# Altium PCB InsaneKeyboard.PcbDoc (part 1 of 4) (continued)
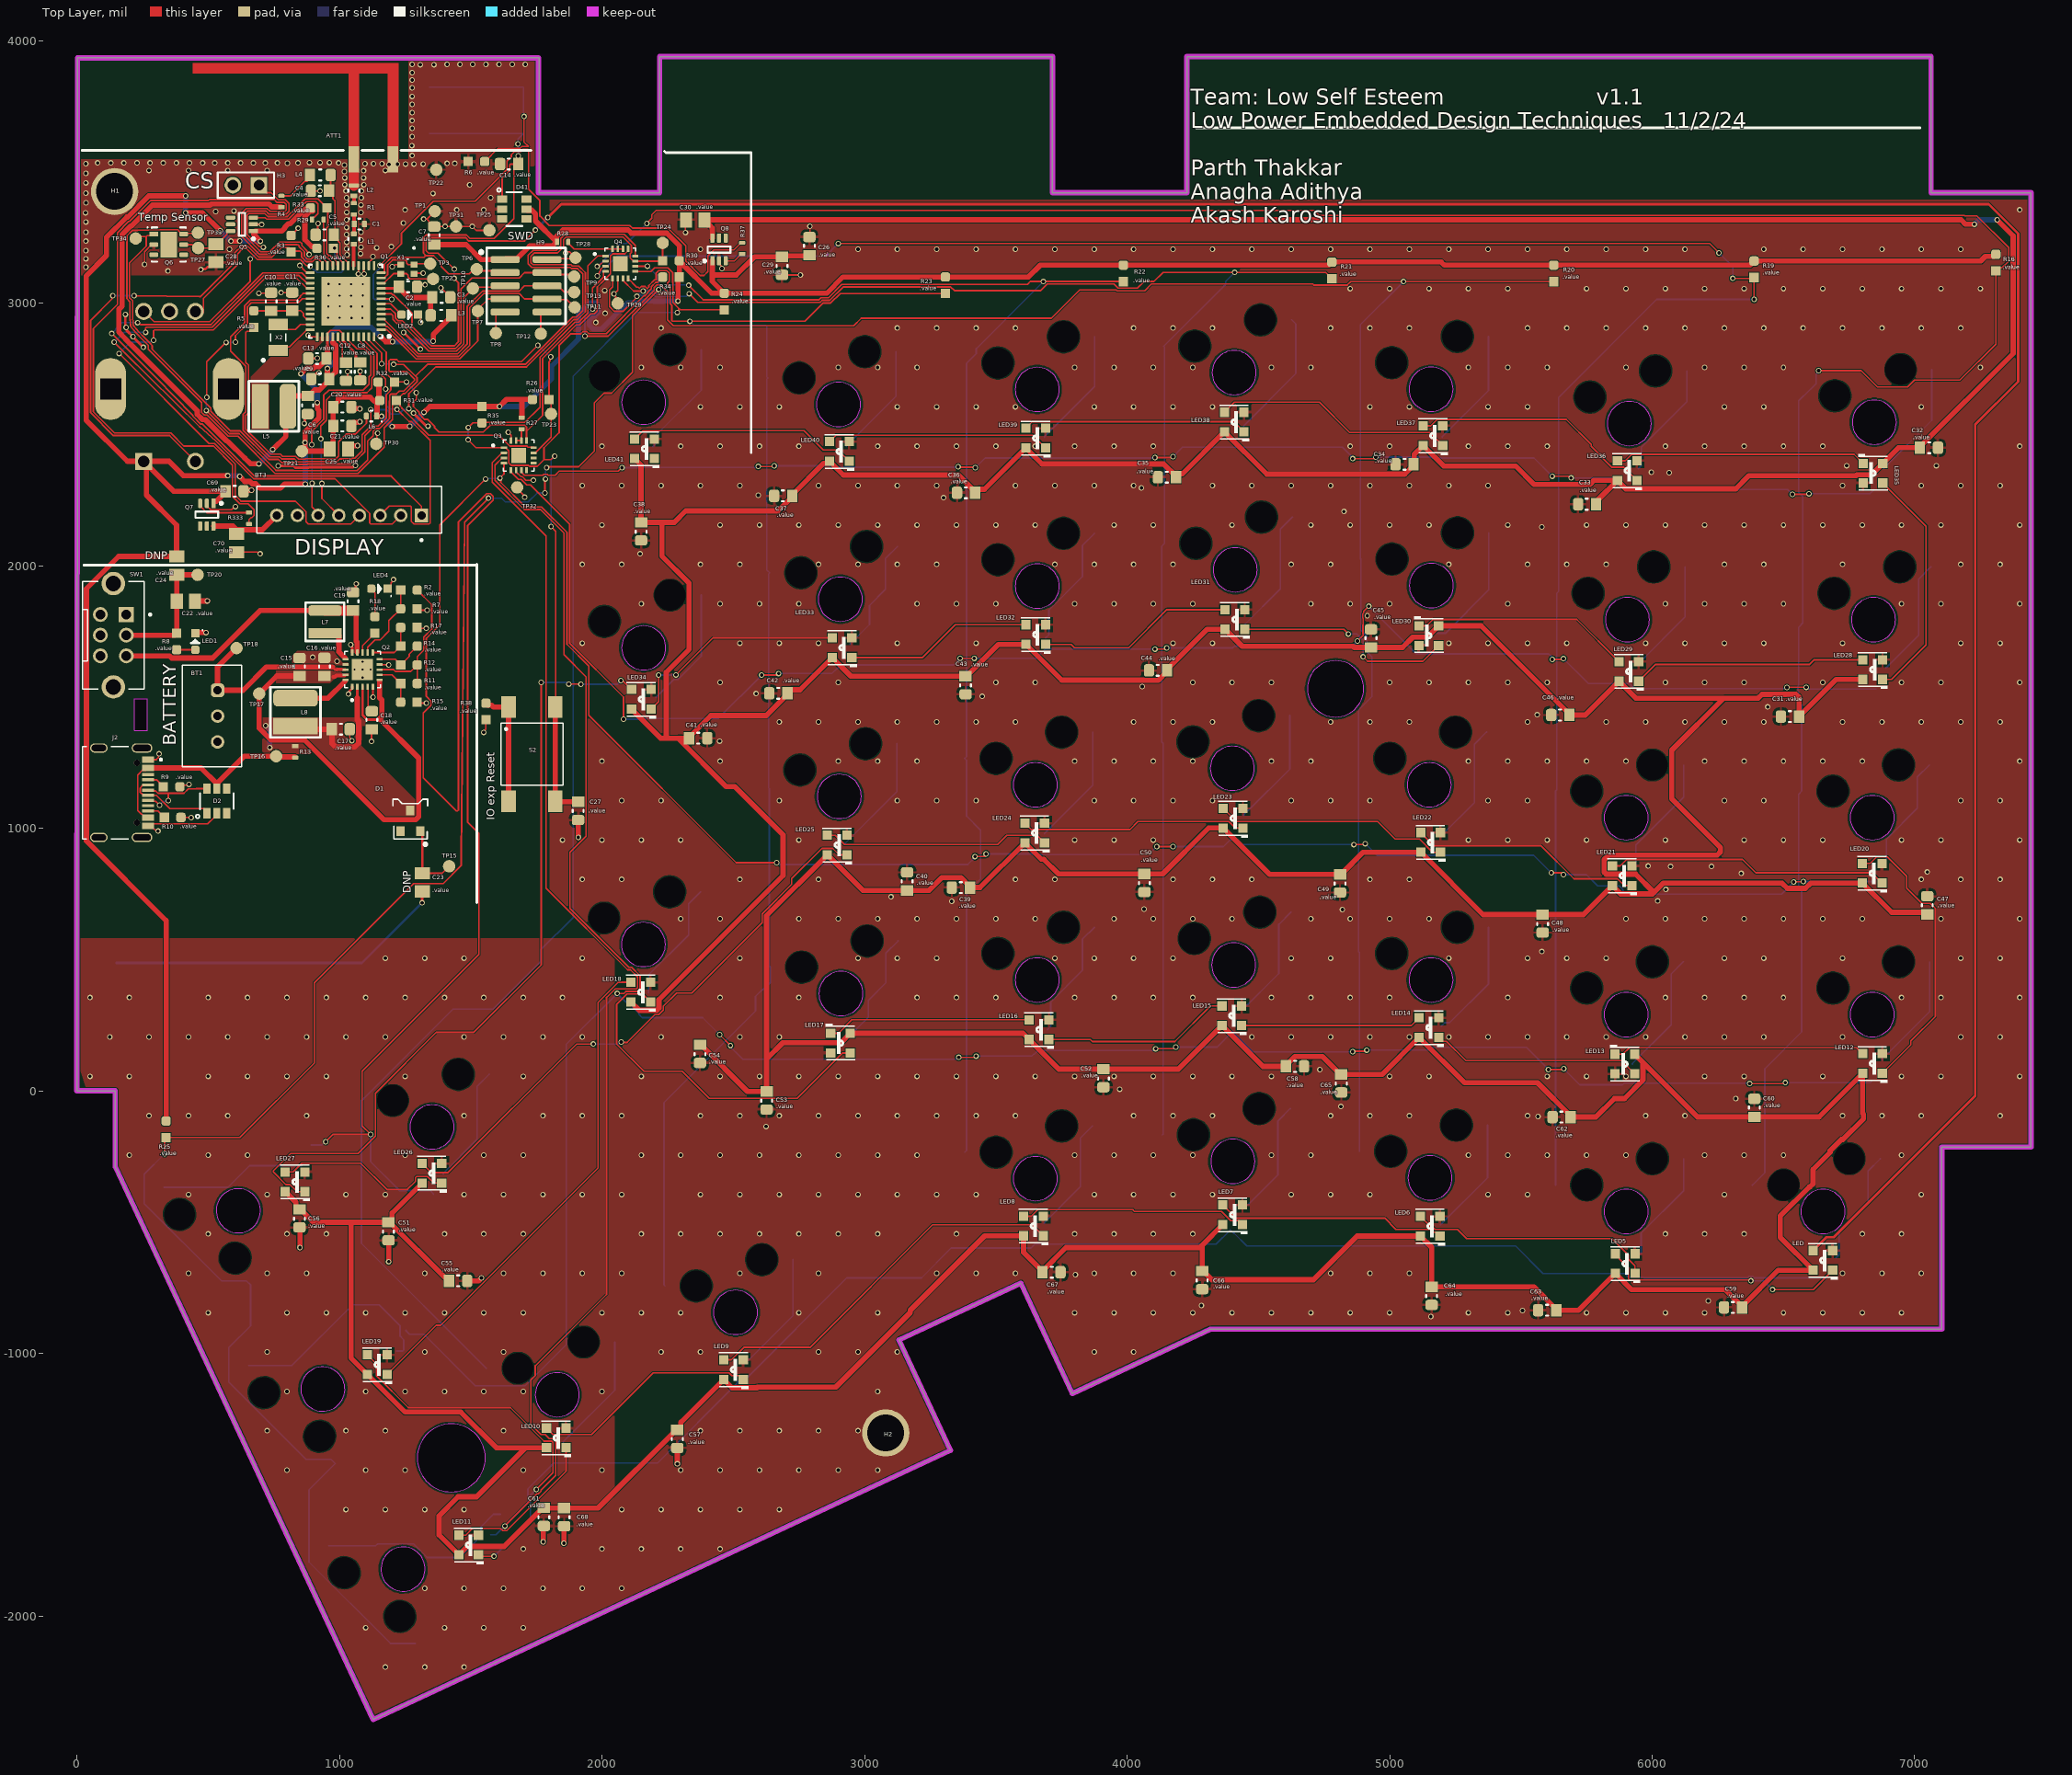
[diagram p0: Top Layer view]
## Components (designator, comment, footprint, x,y, rotation, side; value= is the part's Value field where it differs from the comment)
ATT1 ".value" F_INVERTED 1055,3548 r90 top net-tie
BT1 ".value" BATTERY 536,1427 r90 top
BT2 ".value" "Solar panel" 893,490 r0 bottom
BT3 ".value" "1.54INCH WAVESHARE EINK" 1032,2238 r0 top
C1 ".value" "CAPACITOR 0402" 1076,3301 r0 top value=1.5pF
C2 ".value" "CAPACITOR 0603" 1261,3062 r0 top value=100pF
C3 ".value" "CAPACITOR 0603" 1388,3022 r0 top value=100pF
C4 ".value" "CAPACITOR 0603" 926,3428 r180 top value=22nF
C5 ".value" "CAPACITOR 0603" 944,3260 r180 top value=10pF
C6 ".value" "CAPACITOR 0603" 879,2612 r270 top value=4.7uF
C7 ".value" "CAPACITOR 0603" 1361,3257 r90 top value=10uF
C8 ".value" "CAPACITOR 0603" 1079,2740 r270 top value=1uF
C9 ".value" "CAPACITOR 0603" 927,2711 r180 top value=1uF
C10 ".value" "CAPACITOR 0603" 740,3005 r90 top value=10uF
C11 ".value" "CAPACITOR 0603" 820,3005.55 r90 top value=10nF
C12 ".value" "CAPACITOR 0603" 1025,2739 r270 top value=1uF
C13 ".value" "CAPACITOR 0603" 916,2789 r180 top value=1uF
C14 ".value" "CAPACITOR 0603" 1646.24,3529.47 r180 top value=1uF
C15 ".value" "CAPACITOR 0603" 848,1614 r90 top value=4.7uF
C16 ".value" "CAPACITOR 0603" 943,1614.55 r90 top value=10nF
C17 ".value" "CAPACITOR 0603" 1004.9,1376.91 r0 top value=4.7uF
C18 ".value" "CAPACITOR 0603" 1123.86,1411 r90 top value=10nF
C19 ".value" "CAPACITOR 0603" 1052,1864 r90 top value=22uF
C20 ".value" "CAPACITOR 0603" 1011,2604 r0 top value=10nF
C21 ".value" "CAPACITOR 0603" 1011,2532 r0 top value=10nF
C22 ".value" "CAPACITOR 0805" 415.35,1865 r0 top value=1uF
C23 ".value" "CAPACITOR 0805" 1316,794 r270 top value=1uF
C24 ".value" "CAPACITOR 0805" 380,2000.35 r90 top value=1uF
C25 ".value" "CAPACITOR 0805" 997.62,2444.62 r0 top value=1uF
C26 ".value" "CAPACITOR 0603" 2790,3217 r90 top value=1uF
C27 ".value" "CAPACITOR 0603" 1909,1066 r270 top value=1uF
C28 ".value" "CAPACITOR 0805" 529,3190.35 r270 top value=1uF
C29 ".value" "CAPACITOR 0603" 2686,3142 r270 top value=1uF
C30 ".value" "CAPACITOR 0805" 2355,3317 r180 top value=1uF
C31 ".value" "CAPACITOR 0603" 6525,1425 r180 top value=1uF
C32 ".value" "CAPACITOR 0603" 7054,2449 r0 top value=1uF
C33 ".value" "CAPACITOR 0603" 5752,2234 r180 top value=1uF
C34 ".value" "CAPACITOR 0603" 5057,2386 r180 top value=1uF
C35 ".value" "CAPACITOR 0603" 4151.76,2336.78 r180 top value=1uF
C36 ".value" "CAPACITOR 0603" 3386.83,2277.48 r180 top value=1uF
C37 ".value" "CAPACITOR 0603" 2690,2266 r180 top value=1uF
C38 ".value" "CAPACITOR 0603" 2149,2130.55 r270 top value=1uF
C39 ".value" "CAPACITOR 0603" 3367,774 r180 top value=1uF
C40 ".value" "CAPACITOR 0603" 3162,797.45 r90 top value=1uF
C41 ".value" "CAPACITOR 0603" 2366.55,1343 r0 top value=1uF
C42 ".value" "CAPACITOR 0603" 2672,1514 r180 top value=1uF
C43 ".value" "CAPACITOR 0603" 3385,1544.55 r270 top value=1uF
C44 ".value" "CAPACITOR 0603" 4118,1601 r180 top value=1uF
C45 ".value" "CAPACITOR 0603" 4929,1723 r90 top value=1uF
C46 ".value" "CAPACITOR 0603" 5650,1431 r180 top value=1uF
C47 ".value" "CAPACITOR 0603" 7048,706.45 r90 top value=1uF
C48 ".value" "CAPACITOR 0603" 5582.51,636.78 r270 top value=1uF
C49 ".value" "CAPACITOR 0603" 4811,789.55 r270 top value=1uF
C50 ".value" "CAPACITOR 0603" 4066,791.55 r270 top value=1uF
C51 ".value" "CAPACITOR 0603" 1187,-535 r270 top value=1uF
C52 ".value" "CAPACITOR 0603" 3910,48 r270 top value=1uF
C53 ".value" "CAPACITOR 0603" 2627,-37 r270 top value=1uF
C54 ".value" "CAPACITOR 0603" 2373,140.45 r270 top value=1uF
C55 ".value" "CAPACITOR 0603" 1452,-724 r0 top value=1uF
C56 ".value" "CAPACITOR 0603" 848,-486 r270 top value=1uF
C57 ".value" "CAPACITOR 0603" 2287,-1326 r270 top value=1uF
C58 ".value" "CAPACITOR 0603" 4639.55,93 r0 top value=1uF
C59 ".value" "CAPACITOR 0603" 6308,-825 r180 top value=1uF
C60 ".value" "CAPACITOR 0603" 6389,-65 r90 top value=1uF
C61 ".value" "CAPACITOR 0603" 1779,-1623 r270 top value=1uF
C62 ".value" "CAPACITOR 0603" 5655,-100 r180 top value=1uF
C63 ".value" "CAPACITOR 0603" 5600,-836 r180 top value=1uF
C64 ".value" "CAPACITOR 0603" 5160,-781 r270 top value=1uF
C65 ".value" "CAPACITOR 0603" 4816,28 r270 top value=1uF
C66 ".value" "CAPACITOR 0603" 4286,-721 r270 top value=1uF
C67 ".value" "CAPACITOR 0603" 3712,-691 r0 top value=1uF
C68 ".value" "CAPACITOR 0603" 1856,-1624 r270 top value=1uF
C69 ".value" "CAPACITOR 0603" 600.35,2283.39 r0 top value=1uF
C70 ".value" "CAPACITOR 0805" 608,2086 r270 top value=1uF
D1 ".value" "DIODE SCHOTTKY" 1270,1028 r180 top
D2 ".value" TVS 532.99,1103.16 r90 top
D3 ".value" "DIODE SCHOTTKY" 6662,-676 r180 bottom
D4 ".value" "DIODE SCHOTTKY" 5908,-671 r180 bottom
D5 ".value" "DIODE SCHOTTKY" 5156,-552 r180 bottom
D6 ".value" "DIODE SCHOTTKY" 4393,-489 r180 bottom
D7 ".value" "DIODE SCHOTTKY" 3647,-545 r180 bottom
D8 ".value" "DIODE SCHOTTKY" 2516,-1072 r180 bottom
D9 ".value" "DIODE SCHOTTKY" 1815,-1378 r180 bottom
D10 ".value" "DIODE SCHOTTKY" 6838,78 r180 bottom
D11 ".value" "DIODE SCHOTTKY" 5887,62 r180 bottom
D12 ".value" "DIODE SCHOTTKY" 5160,205 r180 bottom
D13 ".value" "DIODE SCHOTTKY" 4401,266 r180 bottom
D14 ".value" "DIODE SCHOTTKY" 3659,193 r180 bottom
D15 ".value" "DIODE SCHOTTKY" 2897,159 r180 bottom
D16 ".value" "DIODE SCHOTTKY" 2140.6,332.63 r180 bottom
D17 ".value" "DIODE SCHOTTKY" 6842,832 r180 bottom
D18 ".value" "DIODE SCHOTTKY" 5888,805 r180 bottom
D19 ".value" "DIODE SCHOTTKY" 5165,936 r180 bottom
D20 ".value" "DIODE SCHOTTKY" 4407.05,1009.53 r180 bottom
D21 ".value" "DIODE SCHOTTKY" 3648.05,938.53 r180 bottom
D22 ".value" "DIODE SCHOTTKY" 2889,901 r180 bottom
D23 ".value" "DIODE SCHOTTKY" 1358,-355 r180 bottom
D24 ".value" "DIODE SCHOTTKY" 6853,1569 r180 bottom
D25 ".value" "DIODE SCHOTTKY" 5915.05,1590.53 r180 bottom
D26 ".value" "DIODE SCHOTTKY" 5145,1703 r180 bottom
D27 ".value" "DIODE SCHOTTKY" 4409,1733 r180 bottom
D28 ".value" "DIODE SCHOTTKY" 3652,1685 r180 bottom
D29 ".value" "DIODE SCHOTTKY" 2908,1661 r180 bottom
D30 ".value" "DIODE SCHOTTKY" 2168,1457 r180 bottom
D31 ".value" "DIODE SCHOTTKY" 6844,2329 r180 bottom
D32 ".value" "DIODE SCHOTTKY" 5909.05,2329.53 r180 bottom
D33 ".value" "DIODE SCHOTTKY" 5163.05,2449.53 r180 bottom
D34 ".value" "DIODE SCHOTTKY" 4406.05,2490.53 r180 bottom
D35 ".value" "DIODE SCHOTTKY" 3648.05,2449.53 r180 bottom
D36 ".value" "DIODE SCHOTTKY" 2893,2414 r180 bottom
D37 ".value" "DIODE SCHOTTKY" 2156.4,2413.63 r180 bottom
D38 ".value" "DIODE SCHOTTKY" 1575,-1652 r180 bottom
D39 ".value" "DIODE SCHOTTKY" 1254,-952 r0 bottom
D40 ".value" "DIODE SCHOTTKY" 893,-246 r0 bottom
D41 ".value" TVS 1665.77,3358 r0 top value="TVS DIODE 5.5V 6TSOP"
H1 ".value" HOLE 144,3425 r0 top
H2 ".value" HOLE 3081,-1303 r0 top
H3 ".value" 2-PIN_MALE_HEADER_01-IN 644,3449 r180 top
H9 ".value" "MINI SIMPLICITY CONNECTOR" 1711,3066 r270 top
J2 ".value" "TYPE C" 83.99,1135.16 r270 top
L1 ".value" "FERRITE 0402"#1 1055,3244 r90 top value=1.9nH
L2 ".value" "FERRITE 0402"#2 1055,3428 r90 top value=1.9nH
L3 ".value" "FERRITE 0603" 1388,2953 r180 top
L4 ".value" "FERRITE 0603" 926,3488 r0 top
L5 ".value" "IND 22UH (1.6X4.3)" 698,2607 r0 top
L6 ".value" "FERRITE 0402"#3 1122,2570 r180 top
L7 ".value" "IND 10UH (1X3.2)" 945,1742.39 r90 top
L8 ".value" "IND 22UH (1.6X4.3)" 833,1389 r90 top
LED ".value" WS2812B 6650,-646 r0 top
LED1 ".value" "LED 0603" 455,1710 r270 top
LED2 ".value" "LED 0603" 1267,2952 r180 top
LED4 ".value" "LED 0603" 1152,1908 r180 top
LED5 ".value" WS2812B 5897.31,-658.31 r0 top
LED6 ".value" WS2812B 5154.31,-515.6 r0 top
LED7 ".value" WS2812B 4402,-472 r0 top
LED8 ".value" WS2812B 3643.31,-515.11 r0 top
LED9 ".value" WS2812B 2501,-1062 r0 top
LED10 ".value" WS2812B 1826,-1322 r0 top
LED11 ".value" WS2812B 1492,-1730 r0 top
LED12 ".value" WS2812B 6839,104 r0 top
LED13 ".value" WS2812B 5896,102 r180 top
LED14 ".value" WS2812B 5149.66,240.74 r0 top
LED15 ".value" WS2812B 4399,286 r0 top
LED16 ".value" WS2812B 3664.55,232.79 r0 top
LED17 ".value" WS2812B 2908.48,181.44 r180 top
LED18 ".value" WS2812B 2147.94,375.7 r0 top
LED19 ".value" WS2812B 1144,-1043 r0 top
LED20 ".value" WS2812B 6838,828.54 r0 top
LED21 ".value" WS2812B 5886,819 r0 top
LED22 ".value" WS2812B 5156,946 r0 top
LED23 ".value" WS2812B 4404,1038 r0 top
LED24 ".value" WS2812B 3648,982 r0 top
LED25 ".value" WS2812B 2896,936 r0 top
LED26 ".value" WS2812B 1352,-314 r0 top
LED27 ".value" WS2812B 831.13,-346.82 r0 top
LED28 ".value" WS2812B 6840,1604 r0 top
LED29 ".value" WS2812B 5911,1597 r0 top
LED30 ".value" WS2812B 5149.16,1733.31 r180 top
LED31 ".value" WS2812B 4411,1795 r0 top
LED32 ".value" WS2812B 3652.21,1737.69 r0 top
LED33 ".value" WS2812B 2914.42,1687.6 r0 top
LED34 ".value" WS2812B 2150,1491 r0 top
LED35 ".value" WS2812B 6841,2352 r180 top
LED36 ".value" WS2812B 5905,2362 r0 top
LED37 ".value" WS2812B 5165,2495 r0 top
LED38 ".value" WS2812B 4408,2547 r0 top
LED39 ".value" WS2812B 3652,2486 r0 top
LED40 ".value" WS2812B 2904,2435 r0 top
LED41 ".value" WS2812B 2162,2445 r0 top
MT1 ".value" "ROTERY ENCODER" 353,2673 r0 bottom
Q1 ".value" EFR32BG 1023.76,3007.1 r180 top
Q2 ".value" BQ25570RGRR 1088,1604 r90 top
Q3 ".value" "TCA6408ARGTR - IO EXPANDER" 1683,2420 r0 top
Q4 ".value" "TCA6408ARGTR - IO EXPANDER" 2070,3150 r0 top
Q5 ".value" "TPS22919DCKR - LOAD SW" 629,3300 r180 top
Q6 ".value" "SI7021-A20 - TEMP" 350,3223 r0 top
Q7 ".value" "TPS22919DCKR - LOAD SW" 495,2194 r270 top
Q8 ".value" "TPS22919DCKR - LOAD SW" 2446,3204 r90 top
R1 ".value" "RESISTOR 0402" 1055,3359 r90 top value=0R
R2 ".value" "RESISTOR 0603" 1264.9,1906.91 r0 top value=8.2MR
R3 ".value" "RESISTOR 0603" 816,3226 r90 top value=330kR
R4 ".value" "RESISTOR 0402" 779,3386.65 r90 top value=0R
R5 ".value" "RESISTOR 0603" 674,2939 r90 top value=1R
R6 ".value" "RESISTOR 0603" 1522,3539 r0 top value=100R
R7 ".value" "RESISTOR 0603" 1264.9,1835.74 r180 top value=4.75MR
R8 ".value" "RESISTOR 0603" 380,1711.5 r270 top value=100R
R9 ".value" "RESISTOR 0603" 360.99,1158.16 r0 top value=5.1kR
R10 ".value" "RESISTOR 0603" 364.99,1041.16 r0 top value=5.1kR
R11 ".value" "RESISTOR 0603" 1264.9,1551.08 r0 top value=7.32MR
R12 ".value" "RESISTOR 0603" 1264.9,1622.25 r0 top value=1.24MR
R13 ".value" "RESISTOR 0402" 832,1291 r270 top value=0R
R14 ".value" "RESISTOR 0603" 1264.9,1693.41 r0 top value=6.65MR
R15 ".value" "RESISTOR 0603" 1264.9,1479.91 r180 top value=5.6MR
R16 ".value" "RESISTOR 0603" 7309,3154 r90 top value=10kR
R17 ".value" "RESISTOR 0603" 1264.9,1764.58 r180 top value=4.99MR
R18 ".value" "RESISTOR 0603" 1135,1774 r90 top value=100R
R19 ".value" "RESISTOR 0603" 6388,3129 r90 top value=10kR
R20 ".value" "RESISTOR 0603" 5625,3113 r90 top value=10kR
R21 ".value" "RESISTOR 0603" 4780,3125 r90 top value=10kR
R22 ".value" "RESISTOR 0603" 3986,3113 r90 top value=10kR
R23 ".value" "RESISTOR 0603" 3308,3068 r90 top value=10kR
R24 ".value" "RESISTOR 0603" 2466,3006 r90 top value=10kR
R25 ".value" "RESISTOR 0603" 340,-146.5 r90 top value=10kR
R26 ".value" "RESISTOR 0603" 1767,2633 r180 top value=10kR
R27 ".value" "RESISTOR 0402" 1694,2541.65 r270 top value=0R
R28 ".value" "RESISTOR 0402" 1850,3233 r0 top value=0R
R29 ".value" "RESISTOR 0402" 918,3318 r0 top value=0R
R30 ".value" "RESISTOR 0603" 2263,3161 r0 top value=10kR
R31 ".value" "RESISTOR 0603" 1185,2629 r180 top value=10kR
R32 ".value" "RESISTOR 0603" 1179,2699 r180 top value=10kR
R33 ".value" "RESISTOR 0603" 921.44,3362.16 r180 top value=10kR
R34 ".value" "RESISTOR 0603" 2263,3099 r180 top value=10kR
R35 ".value" "RESISTOR 0603" 1543,2575 r270 top value=10kR
R36 ".value" "RESISTOR 0603" 946,3208 r180 top value=10kR
R37 ".value" "RESISTOR 0402" 2534,3208 r90 top value=0R
R38 ".value" "RESISTOR 0603" 1558,1444.5 r90 top value=100R
R333 ".value" "RESISTOR 0402" 656,2180 r270 top value=0R
S1 ".value" SPST 1522,3734 r0 bottom
S2 ".value" SPST 1733,1282 r270 top
SW1 ".value" DPDT 139,1735 r270 top
SW2 ".value" "MECHANICAL SWITCH" 6650.84,-459.72 r180 bottom
SW3 ".value" "MECHANICAL SWITCH" 5900.84,-459.72 r180 bottom
SW4 ".value" "MECHANICAL SWITCH" 5153.92,-331.76 r180 bottom
SW5 ".value" "MECHANICAL SWITCH" 4402.92,-268.76 r180 bottom
SW6 ".value" "MECHANICAL SWITCH" 3650.82,-334.72 r180 bottom
SW7 ".value" "MECHANICAL SWITCH" 2508.92,-843.76 r180 bottom
SW8 ".value" "MECHANICAL SWITCH" 1829.8,-1157.83 r180 bottom
SW9 ".value" "MECHANICAL SWITCH" 6838.34,290.28 r180 bottom
SW10 ".value" "MECHANICAL SWITCH" 5900.84,290.28 r180 bottom
SW11 ".value" "MECHANICAL SWITCH" 5157.91,422.12 r180 bottom
SW12 ".value" "MECHANICAL SWITCH" 4405.92,479.24 r180 bottom
SW13 ".value" "MECHANICAL SWITCH" 3657.9,422.12 r180 bottom
SW14 ".value" "MECHANICAL SWITCH" 2910,370.21 r180 bottom
SW15 ".value" "MECHANICAL SWITCH" 2157.92,557.24 r180 bottom
SW16 ".value" "MECHANICAL SWITCH" 6838.35,1040.29 r180 bottom
SW17 ".value" "MECHANICAL SWITCH" 5900.84,1040.29 r180 bottom
SW18 ".value" "MECHANICAL SWITCH" 5150.83,1165.29 r180 bottom
SW19 ".value" "MECHANICAL SWITCH" 4400.83,1228.19 r180 bottom
SW20 ".value" "MECHANICAL SWITCH" 3650.82,1165.29 r180 bottom
SW21 ".value" "MECHANICAL SWITCH" 2903.92,1121.24 r180 bottom
SW22 ".value" "MECHANICAL SWITCH" 1352.92,-137.76 r180 bottom
SW23 ".value" "MECHANICAL SWITCH" 6842.92,1794.24 r180 bottom
SW24 ".value" "MECHANICAL SWITCH" 5905.92,1794.24 r180 bottom
SW25 ".value" "MECHANICAL SWITCH" 5158.92,1924.24 r180 bottom
SW26 ".value" "MECHANICAL SWITCH" 4411.92,1984.24 r180 bottom
SW27 ".value" "MECHANICAL SWITCH" 3657.9,1922.12 r180 bottom
SW28 ".value" "MECHANICAL SWITCH" 2907.89,1872.12 r180 bottom
SW29 ".value" "MECHANICAL SWITCH" 2159,1687 r180 bottom
SW30 ".value" "MECHANICAL SWITCH" 6845.92,2546.24 r180 bottom
SW31 ".value" "MECHANICAL SWITCH" 5912.92,2541.24 r180 bottom
SW32 ".value" "MECHANICAL SWITCH" 5157.91,2672.13 r180 bottom
SW33 ".value" "MECHANICAL SWITCH" 4407.92,2735.24 r180 bottom
SW34 ".value" "MECHANICAL SWITCH" 3657.92,2671.24 r180 bottom
SW35 ".value" "MECHANICAL SWITCH" 2901,2614 r180 bottom
SW36 ".value" "MECHANICAL SWITCH" 2159,2622 r180 bottom
SW37 ".value" "MECHANICAL SWITCH" 1242.31,-1821.83 r300 bottom
SW38 ".value" "MECHANICAL SWITCH" 936.84,-1135.98 r300 bottom
SW39 ".value" "MECHANICAL SWITCH" 614.84,-456.98 r300 bottom
TP1 ".value" "TEST POINT" 1363,3350 r90 top net-tie
TP2 ".value" "TEST POINT" 1357,3092 r0 top net-tie
TP3 ".value" "TEST POINT" 1346,3150 r0 top net-tie
TP6 ".value" "TEST POINT" 1523,3129 r0 top net-tie
TP7 ".value" "TEST POINT" 1527,2970 r0 top net-tie
TP8 ".value" "TEST POINT" 1596,2886 r90 top net-tie
TP9 ".value" "TEST POINT" 1894,3101 r90 top net-tie
TP10 ".value" "TEST POINT" 1508.27,3056 r0 top net-tie
TP11 ".value" "TEST POINT" 1896,2984 r90 top net-tie
TP12 ".value" "TEST POINT" 1767,2883 r90 top net-tie
TP13 ".value" "TEST POINT" 1894,3042 r90 top net-tie
TP15 ".value" "TEST POINT" 1418,855 r180 top net-tie
TP16 ".value" "TEST POINT" 759,1274 r180 top net-tie
TP17 ".value" "TEST POINT" 694.5,1512.5 r180 top net-tie
TP18 ".value" "TEST POINT" 608,1686 r180 top net-tie
TP20 ".value" "TEST POINT" 460,1965 r90 top net-tie
TP21 ".value" "TEST POINT" 857,2436 r90 top net-tie
TP22 ".value" "TEST POINT" 1369,3508 r90 top net-tie
TP23 ".value" "TEST POINT" 1806,2578 r180 top
TP24 ".value" "TEST POINT" 2231,3229 r90 top
TP25 ".value" "TEST POINT" 1571,3277 r90 top
TP27 ".value" "TEST POINT" 462,3210 r270 top
TP28 ".value" "TEST POINT" 1899,3173 r270 top
TP29 ".value" "TEST POINT" 2060,2999 r90 top
TP30 ".value" "TEST POINT" 1140,2464 r0 top
TP31 ".value" "TEST POINT" 1444,3292 r90 top
TP32 ".value" "TEST POINT" 1677,2298 r90 top
TP33 ".value" "TEST POINT" 461,3268 r270 top
TP34 ".value" "TEST POINT" 224,3246 r270 top
X1 ".value" "XTAL 38.4MHZ" 1259,3129 r270 top
X2 ".value" XTAL_32.768KHZ-T 767,2869 r90 top

## Footprints (in the part's own frame and the unit in brackets; to place one, negate y for a bottom-side part, rotate by r counter-clockwise, add the part's x,y. Pads: shape width x height; smd on the part's side, far side on the other; paste and mask are expansions set on the pad)
"1.54INCH WAVESHARE EINK" [mm] "200x200, 1.54inch E-Ink display module"
  rect 1.308x1.308 / inner round 1.308 / far side rect 1.308x1.308 hole 0.8: 1(7.127,-1.185)
  round 1.308 hole 0.8: 2(5.127,-1.185) 3(3.127,-1.185) 4(1.127,-1.185) 5(-0.873,-1.185) 6(-2.873,-1.185) 7(-4.873,-1.185) 8(-6.873,-1.185)
  silkscreen extent -8.82,-3.68 9.08,1.62, body extent -8.85,-2.92 9.05,1.58, height 6
2-PIN_MALE_HEADER_01-IN [mm] "Terminal Assembly, 1x2 Pins, Vertical, 2.54mm Pitch, Male"
  rect 1.6x1.6 hole 1.02: 1(-1.27,0)
  round 1.6 hole 1.02: 2(1.27,0)
  silkscreen extent -2.73,-1.24 2.73,1.24, body extent -2.54,-1.22 2.54,1.27, height 8.54
BATTERY [mm] "404852 3.7 V Lithium-Ion Battery Rechargeable (Secondary) 1.05Ah"
  rrect50% 1.308x1.308 hole 0.8: 1(2.5,0)
  round 1.308 hole 0.8: 2(0,0) 3(-2.5,0)
  silkscreen extent -4.9,-2.31 4.93,3.43, body extent -4.95,-2.34 4.95,3.41, height 6.51
BQ25570RGRR [mm] "Energy Harvesting PMIC 20-VQFN (3.5x3.5) IC ENERGY HARV CTRLR BATT 20VQFN"
  rrect50% 0.6x0.24 smd mask+0: 1(-1.65,1)
  rrect27% 0.6x0.24 smd mask+0: 2(-1.65,0.5) 3(-1.65,0) 4(-1.65,-0.5) 5(-1.65,-1) 11(1.65,-1) 12(1.65,-0.5) 13(1.65,0) 14(1.65,0.5) 15(1.65,1)
  rrect27% 0.24x0.6 smd mask+0: 6(-1,-1.65) 7(-0.5,-1.65) 8(0,-1.65) 9(0.5,-1.65) 10(1,-1.65) 16(1,1.65) 17(0.5,1.65) 18(0,1.65) 19(-0.5,1.65) 20(-1,1.65)
  round 0.3 hole 0.2 mask+0: 21(-0.775,0) 21(0,0.775) 21(0,0) 21(0,-0.775) 21(0.775,0)
  rect 2.05x2.05 smd paste-2 mask+0.07: 21(0,0)
  silkscreen extent -3.05,-1.75 1.75,1.75, body extent -1.75,-1.75 1.75,1.75, height 1
"CAPACITOR 0402" [mm]
  rect 0.5x0.64 smd: 1(-0.5,0)
  rrect50% 0.5x0.64 smd: 2(0.5,0)
  silkscreen extent -1.04,-0.53 0.1,0.58, body extent -0.5,-0.25 0.5,0.25, height 0.55
"CAPACITOR 0603" [mm] "Chip Capacitor, 2-Leads, Body 1.60x0.80mm, IPC Medium Density"
  rect 1x1.2 smd: 1(-0.875,0)
  rrect50% 1x1.2 smd: 2(0.875,0)
  silkscreen extent -0.07,-0.53 0.13,0.53, body extent -0.87,-0.5 0.93,0.5, height 1
"CAPACITOR 0805" [mm]
  rect 1.16x1.47 smd: 1(-0.88,0) 2(0.88,0)
"DIODE SCHOTTKY" [mm]
  rect 0.8x0.9 smd paste+0: 1(-0.95,1) 2(0.95,1)
  rect 0.8x0.9 smd: 3(0,-1)
  silkscreen extent -1.68,-2.1 1.68,2.41, body extent -2.67,-1.78 2.73,1.84, height 2.81